# Altium PCB C1B_EVAL_DEV.PcbDoc (part 1 of 2) (continued)
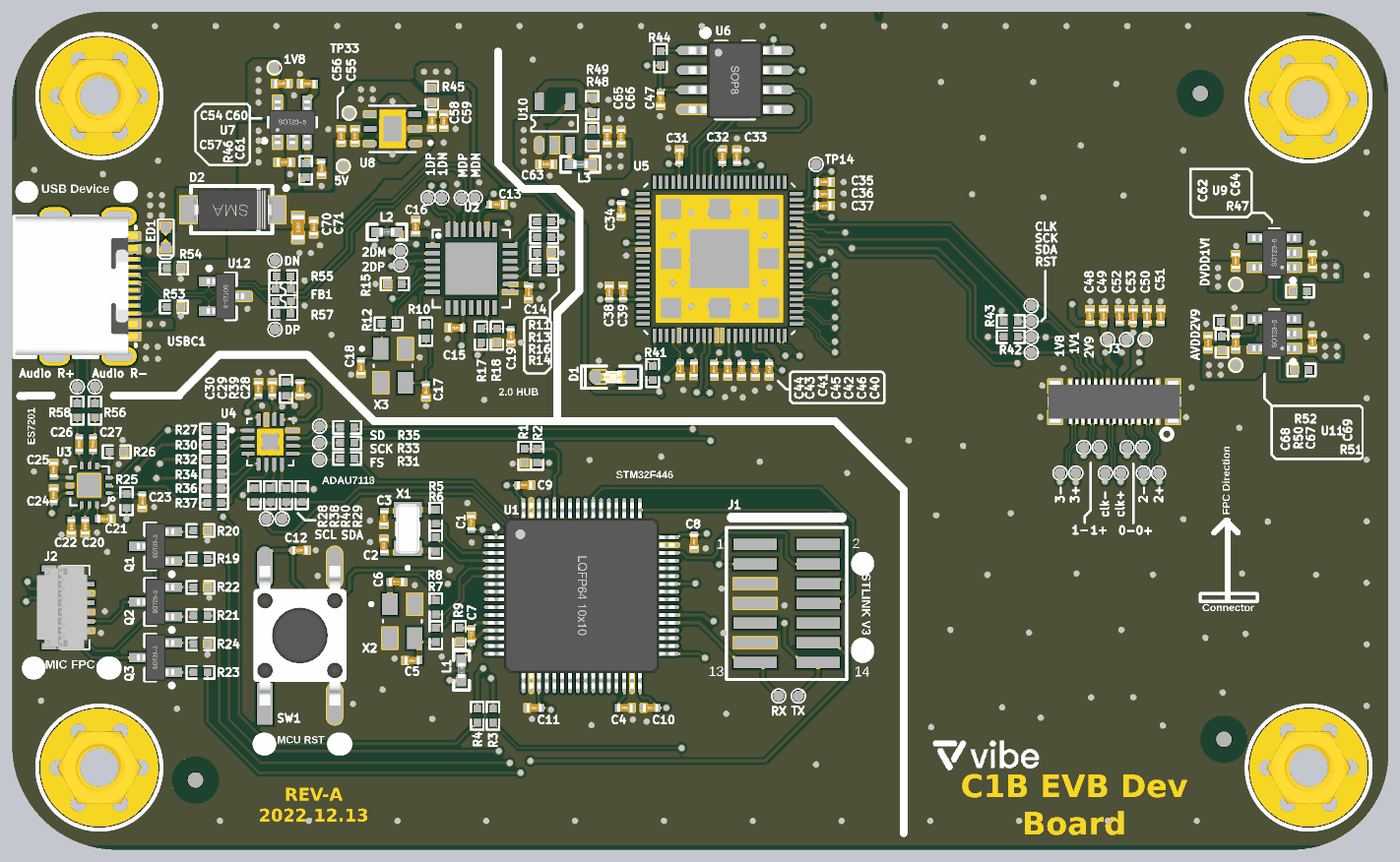
[diagram p5: 3D render of the assembled board from above, using the file's embedded part models]

## Layer stack, top to bottom
Top Solder: solder mask 0.4, Solder Resist, Dk 3.5
Top Layer: signal copper 1.4
Dielectric 2: prepreg 2.8, PP-006, Dk 4.1
GND: signal copper 1.378
Dielectric 1: dielectric 12.6, FR-4, Dk 4.8
Power: signal copper 1.378
Dielectric 3: prepreg 2.8, PP-006, Dk 4.1
Bottom Layer: signal copper 1.4
Bottom Solder: solder mask 0.4, Solder Resist, Dk 3.5

## Board outline
1770,2845 1770,4380 1770,4475 cw(c2002.01,4475) 2002.01,4707.01 5052.99,4707.01 cw(c5052.99,4497.99) 5262.01,4497.99 5262.01,2822.01 cw(c5020,2822.01) 5020,2580 2035,2580 cw(c2035,2845)

## Design rules (kind name [scope] priority, off if disabled: settings)
Clearance poly_vias [InPoly vs isvia] p1: gap=4 ignorepadtopadclearanceinfootprint=TRUE
Clearance poly-poly [InPolygon] p2: gap=6 ignorepadtopadclearanceinfootprint=TRUE
Clearance pad_via [IsPad vs isvia] p3: gap=6 ignorepadtopadclearanceinfootprint=TRUE
Clearance bga_via_clearence [IsBGA vs isvia] p4: gap=4 ignorepadtopadclearanceinfootprint=TRUE
Clearance track-pad [IsTrack vs IsPad] p5: gap=4 ignorepadtopadclearanceinfootprint=TRUE
Clearance ALL_CLEARENCE [All] p6: gap=4 ignorepadtopadclearanceinfootprint=TRUE
DiffPairsRouting DiffPair_MIPIDiffPairsRouting [InDifferentialPair ('MIPI_CSI_RX0_D3') Or InDifferentialPair ('MIPI_CSI_RX0_CLK') Or InDifferentialPair ('MIPI_CSI_RX0_D1') Or InDifferentialPair ('MIPI_CSI_RX0_D0') Or InDifferentialPair ('MIPI_CSI_RX0_D2')] p1: maxlimit=4 minlimit=4 mostfreqgap=4 toplayer_minwidth=4 toplayer_maxwidth=4 toplayer_prefwidth=4 midlayer1_minwidth=4 midlayer1_maxwidth=4 midlayer1_prefwidth=4 midlayer2_minwidth=4 midlayer2_maxwidth=4 midlayer2_prefwidth=4 bottomlayer_minwidth=4 bottomlayer_maxwidth=4 bottomlayer_prefwidth=4 maxuncoupledlength=500
DiffPairsRouting DiffPair_usb_90omhsDiffPairsRouting [InDifferentialPair ('HUB2_D') Or InDifferentialPair ('HUB1_D') Or InDifferentialPair ('USB_M_D')] p2: maxlimit=10 minlimit=5 mostfreqgap=7 toplayer_minwidth=4 toplayer_maxwidth=15 toplayer_prefwidth=6 midlayer1_minwidth=4 midlayer1_maxwidth=15 midlayer1_prefwidth=6 midlayer2_minwidth=4 midlayer2_maxwidth=15 midlayer2_prefwidth=6 bottomlayer_minwidth=4 bottomlayer_maxwidth=15 bottomlayer_prefwidth=6 maxuncoupledlength=500
DiffPairsRouting DiffPair_OTGDiffPairsRouting [InDifferentialPair ('OTG_FILTERED') Or InDifferentialPair ('OTG_RAW')] p3: maxlimit=5 minlimit=5 mostfreqgap=5 toplayer_minwidth=1.66 toplayer_maxwidth=6.54 toplayer_prefwidth=6.54 midlayer1_minwidth=0.48 midlayer1_maxwidth=3.7 midlayer1_prefwidth=3.7 midlayer2_minwidth=0.48 midlayer2_maxwidth=3.7 midlayer2_prefwidth=3.7 bottomlayer_minwidth=1.66 bottomlayer_maxwidth=6.54 bottomlayer_prefwidth=6.54 maxuncoupledlength=500
DiffPairsRouting MIPI_DIFFDiffPairsRouting [InDifferentialPairClass('MIPI_CSI0')] p4: maxlimit=5 minlimit=5 mostfreqgap=5 toplayer_minwidth=1.66 toplayer_maxwidth=6.54 toplayer_prefwidth=6.54 midlayer1_minwidth=0.48 midlayer1_maxwidth=3.7 midlayer1_prefwidth=3.7 midlayer2_minwidth=0.48 midlayer2_maxwidth=3.7 midlayer2_prefwidth=3.7 bottomlayer_minwidth=1.66 bottomlayer_maxwidth=6.54 bottomlayer_prefwidth=6.54 maxuncoupledlength=500
DiffPairsRouting DDR_CLKDiffPairsRouting [InDifferentialPairClass('DDR')] p5: maxlimit=5 minlimit=5 mostfreqgap=5 toplayer_minwidth=1.66 toplayer_maxwidth=6.54 toplayer_prefwidth=6.54 midlayer1_minwidth=0.48 midlayer1_maxwidth=3.7 midlayer1_prefwidth=3.7 midlayer2_minwidth=0.48 midlayer2_maxwidth=3.7 midlayer2_prefwidth=3.7 bottomlayer_minwidth=1.66 bottomlayer_maxwidth=6.54 bottomlayer_prefwidth=6.54 maxuncoupledlength=500
DiffPairsRouting USB_90DiffPairsRouting [InDifferentialPair ('OTG') Or InDifferentialPair ('OTG_DM') Or InDifferentialPair ('USB_HOST')] p6: maxlimit=5 minlimit=5 mostfreqgap=5 toplayer_minwidth=1.66 toplayer_maxwidth=6.54 toplayer_prefwidth=6.54 midlayer1_minwidth=0.48 midlayer1_maxwidth=3.7 midlayer1_prefwidth=3.7 midlayer2_minwidth=0.48 midlayer2_maxwidth=3.7 midlayer2_prefwidth=3.7 bottomlayer_minwidth=1.66 bottomlayer_maxwidth=6.54 bottomlayer_prefwidth=6.54 maxuncoupledlength=500
HoleToHoleClearance [All] p1: gap=8 allowstackedmicrovias=TRUE
MatchedLengths DiffPair_MIPIMatchedLengths [InDifferentialPair ('MIPI_CSI_RX0_D3') Or InDifferentialPair ('MIPI_CSI_RX0_CLK') Or InDifferentialPair ('MIPI_CSI_RX0_D1') Or InDifferentialPair ('MIPI_CSI_RX0_D0') Or InDifferentialPair ('MIPI_CSI_RX0_D2')] p1: tolerance=1000 checknetsindiffpair=FALSE checkdiffpairvsdiffpair=TRUE checkxsignals=TRUE checkothers=TRUE
MatchedLengths DiffPair_usb_90omhsMatchedLengths [InDifferentialPair ('HUB2_D') Or InDifferentialPair ('HUB1_D') Or InDifferentialPair ('USB_M_D')] p2: tolerance=1000 checknetsindiffpair=TRUE checkdiffpairvsdiffpair=FALSE checkxsignals=FALSE checkothers=FALSE
MinimumSolderMaskSliver [All] p1: minsoldermaskwidth=1
NetAntennae [All] p1: netantennaetolerance=5
PlaneClearance [All] p1: clearance=6
PlaneConnect [InPadClass('All Pads')] p1: planeconnectstyle=Direct reliefexpansion=20 reliefentries=4 reliefconductorwidth=10 reliefairgap=10
PolygonConnect [All] p1: connectstyle=Direct reliefconductorwidth=4 reliefentries=4 polygonreliefangle="45 Angle" airgapwidth=4
RoomDefinition 99_MISCS [InComponentClass('99_MISCS')] p1: confinementstyle=ConfineIn formatcopy=TRUE lockcomponents=FALSE outline 0,0 2000,0 2000,1000 0,1000
RoomDefinition 22_USB_CONNECTOR [InComponentClass('22_USB_CONNECTOR')] p2: confinementstyle=ConfineIn formatcopy=TRUE lockcomponents=FALSE outline 0,0 2000,0 2000,1000 0,1000
RoomDefinition 21_POWER_DOMAINS [InComponentClass('21_POWER_DOMAINS')] p3: confinementstyle=ConfineIn formatcopy=TRUE lockcomponents=FALSE outline 0,0 2000,0 2000,1000 0,1000
RoomDefinition 15_ISP [InComponentClass('15_ISP')] p4: confinementstyle=ConfineIn formatcopy=TRUE lockcomponents=FALSE outline 0,0 2000,0 2000,1000 0,1000
RoomDefinition 12_ADAU7118_CODEC [InComponentClass('12_ADAU7118_CODEC')] p5: confinementstyle=ConfineIn formatcopy=TRUE lockcomponents=FALSE outline 0,0 2000,0 2000,1000 0,1000
RoomDefinition 11_ES7201_LOOPBACK [InComponentClass('11_ES7201_LOOPBACK')] p6: confinementstyle=ConfineIn formatcopy=TRUE lockcomponents=FALSE outline 0,0 2000,0 2000,1000 0,1000
RoomDefinition 10_PDM_MICS [InComponentClass('10_PDM_MICS')] p7: confinementstyle=ConfineIn formatcopy=TRUE lockcomponents=FALSE outline 0,0 2000,0 2000,1000 0,1000
RoomDefinition 06_USB_HUB20 [InComponentClass('06_USB_HUB20')] p8: confinementstyle=ConfineIn formatcopy=TRUE lockcomponents=FALSE outline 0,0 2000,0 2000,1000 0,1000
RoomDefinition 05_SM32_MCU [InComponentClass('05_SM32_MCU')] p9: confinementstyle=ConfineIn formatcopy=TRUE lockcomponents=FALSE outline 0,0 2000,0 2000,1000 0,1000
RoutingVias GENERAL_VIAS [All] p1: holewidth=7.87 width=15.75 viastyle="Through Hole" minholewidth=7.87 minwidth=15.75 maxholewidth=7.87 maxwidth=15.75
RoutingVias PWR_VIAS [InNetClass('powers')] p2: holewidth=12 width=24 viastyle="Through Hole" minholewidth=12 minwidth=24 maxholewidth=12 maxwidth=24
SilkToSilkClearance [All] p1: silktosilkclearance=0
SilkToSolderMaskClearance [IsPad] p1: minsilkscreentomaskgap=0 clearancetoexposedcopper=TRUE
SolderMaskExpansion [All] p1: expansion=2.5 istentingtop=FALSE
Width PW [InNetClass('PW')] p1: maxlimit=60 minlimit=5 preferedwidth=8
Width GENERAL [All] p2: maxlimit=60 minlimit=4 preferedwidth=4
22 further rules are at their usual default settings.

## Classes and differential pairs
differential pair class USB: HUB1_D HUB2_D USB_D USB_M_D
differential pair class MIPI: MIPI_CSI_RX0_CLK MIPI_CSI_RX0_D0 MIPI_CSI_RX0_D1 MIPI_CSI_RX0_D2 MIPI_CSI_RX0_D3
differential pair class AUDIO_IN: AUDIO_R LOOPBACK_R
net class USB: HUB1_D_N HUB1_D_P USB_D_N USB_D_P
net class MIPI: MIPI_CSI_RX0_CLK_N MIPI_CSI_RX0_CLK_P MIPI_CSI_RX0_D0_N MIPI_CSI_RX0_D0_P MIPI_CSI_RX0_D1_N MIPI_CSI_RX0_D1_P MIPI_CSI_RX0_D2_N MIPI_CSI_RX0_D2_P MIPI_CSI_RX0_D3_N MIPI_CSI_RX0_D3_P
net class AUDIO_DIFF: AUDIO_R_N AUDIO_R_P LOOPBACK_R_N LOOPBACK_R_P
component class 99_MISCS: M1 M2 M3 M4 M5 M6 SP1 SP2 SP3 SP4
component class 22_USB_CONNECTOR: "Audio R+" "Audio R-" C70 C71 D2 DN DP ED1 FB1 R53 R54 R55 R56 R57 R58 U12 USBC1
component class 21_POWER_DOMAINS: 1V8 5V AVDD2V9 C54 C55 C56 C57 C58 C59 C60 C61 C62 C63 C64 C65 C66 C67 C68 C69 DVDD1V! L3 R45 R46 R47 R48 R49 R50 R51 R52 TP33 U7 U8 U9 U10 U11
component class 15_ISP: 0+ 0- 1+ 1- 1V1 1V8 2+ 2- 2V9 3+ 3- C31 C32 C33 C34 C35 C36 C37 C38 C39 C40 C41 C42 C43 C44 C45 C46 C47 C48 C49 C50 C51 C52 C53 CLK clk+ clk- D1 J3 R41 R42 R43 R44 RST SCK SDA TP14 U5 U6
component class 12_ADAU7118_CODEC: C28 C29 C30 FS R27 R28 R29 R30 R31 R32 R33 R34 R35 R36 R37 R38 R39 R40 SCK SCL SD SDA U4
component class 11_ES7201_LOOPBACK: C20 C21 C22 C23 C24 C25 C26 C27 R25 R26 U3
component class 10_PDM_MICS: J2 Q1 Q2 Q3 R19 R20 R21 R22 R23 R24
component class 06_USB_HUB20: 1DN 1DP 2DM 2DP C13 C14 C15 C16 C17 C18 C19 L2 MDN MDP R10 R11 R12 R13 R14 R15 R16 R17 R18 U2 X3
component class 05_SM32_MCU: C1 C2 C3 C4 C5 C6 C7 C8 C9 C10 C11 C12 J1 L1 R1 R2 R3 R4 R5 R6 R7 R8 R9 RX SW1 TX U1 X1 X2
differential pair USB_M_D: +USB_M_D_P -USB_M_D_N
differential pair USB_DATA_IN: +USB_D_P -USB_D_N
differential pair MIPI_CSI_RX0_D3: +MIPI_CSI_RX0_D3_P -MIPI_CSI_RX0_D3_N
differential pair MIPI_CSI_RX0_D2: +MIPI_CSI_RX0_D2_P -MIPI_CSI_RX0_D2_N
differential pair MIPI_CSI_RX0_D1: +MIPI_CSI_RX0_D1_P -MIPI_CSI_RX0_D1_N
differential pair MIPI_CSI_RX0_D0: +MIPI_CSI_RX0_D0_P -MIPI_CSI_RX0_D0_N
differential pair MIPI_CSI_RX0_CLK: +MIPI_CSI_RX0_CLK_P -MIPI_CSI_RX0_CLK_N
differential pair LOOPBACK_R: +LOOPBACK_R_P -LOOPBACK_R_N
differential pair HUB2_D: +HUB2_D_P -HUB2_D_N
differential pair HUB1_D: +HUB1_D_P -HUB1_D_N
differential pair AUDIO_R: +AUDIO_R_P -AUDIO_R_N

## Components (designator, comment, footprint, x,y, rotation, side; value= is the part's Value field where it differs from the comment)
0+ "MIPI_D0P" TP_0R70 4639,3601.13 r90 top (schematic designator TP26)
0- "MIPI_D0N" TP_0R70 4599,3601.13 r90 top (schematic designator TP25)
1+ "MIPI_D1P" TP_0R70 4529,3601.13 r90 top (schematic designator TP22)
1- "MIPI_D1N" TP_0R70 4489,3601.13 r90 top (schematic designator TP21)
1DN "" TP_0R70 2860,4235 r0 top (schematic designator TP3)
1DP "" TP_0R70 2825,4235 r180 top (schematic designator TP4)
1V1 "1V1" TP_0R70 4597.5,3875 r90 top (schematic designator TP31)
1V8 "TP_0.7" TP_0R70 2435,4565 r180 top net-tie (schematic designator TP34)
1V8 "1V8" TP_0R70 4550,3875 r90 top (schematic designator TP29)
2+ "MIPI_D2P" TP_0R70 4679,3536 r90 top (schematic designator TP28)
2- "MIPI_D2N" TP_0R70 4640.82,3536 r90 top (schematic designator TP27)
2DM "" TP_0R70 2755,4100 r180 top (schematic designator TP5)
2DP "" TP_0R70 2755,4065 r180 top (schematic designator TP6)
2V9 "2V9" TP_0R70 4645,3875 r90 top (schematic designator TP30)
3+ "MIPI_D3P" TP_0R70 4469,3536 r90 top (schematic designator TP20)
3- "MIPI_D3N" TP_0R70 4429.01,3536 r90 top (schematic designator TP19)
5V "5V" TP_0R70 2610,4315 r0 top (schematic designator TP32)
"Audio R+" "RN" TP_0R70 1935,3755 r90 top (schematic designator TP40)
"Audio R-" "RP" TP_0R70 1980,3755 r90 top (schematic designator TP39)
AVDD2V9 "2V9" TP_0R70 4875,3810 r270 top (schematic designator TP36)
C1 "1uF" C0402_L 2935,3410 r90 top
C2 "4.3pF" C0402_L 2713,3352 r90 top
C3 "4.3pF" C0402_L 2713,3422 r270 top
C4 "4.7uF" C0402_L 3325,2940 r0 top
C5 "20pF" C0402_L 2785,3060 r180 top
C6 "20pF" C0402_L 2745,3260 r0 top
C7 "100nF" C0402_L 2935,3125 r90 top
C8 "2.2uF" C0402_L 3500,3362.28 r270 top
C9 "2.2uF" C0402_L 3070,3505 r0 top
C10 "2.2uF" C0402_L 3390,2940 r180 top
C11 "2.2uF" C0402_L 3095,2940 r180 top
C12 "100nF" C0402_L 2500,3340 r180 top
C13 "100nF" C0402_L 2999,4218 r0 top
C14 "100nF" C0402_L 3080,3995 r270 top
C15 "100nF" C0402_L 2895,3905 r180 top
C16 "100nF" C0402_L 2794,4162 r90 top
C17 "20pF" C0402_L 2820,3745 r270 top
C18 "20pF" C0402_L 2655,3805 r270 top
C19 "100nF" C0402_L 3035,3885 r270 top
C20 "1uF" C0402_L 1955,3400 r270 top
C21 "1uF" C0402_L 2005,3420 r180 top
C22 "1uF" C0402_L 1920,3400 r270 top
C23 "1uF" C0402_L 2100,3465 r270 top
C24 "100nF" C0402_L 1875,3480 r90 top
C25 "1uF" C0402_L 1875,3545 r90 top
C26 "1uF" C0402_L 1940,3610 r90 top
C27 "1uF" C0402_L 1975,3610 r90 top
C28 "100nF" C0402_L 2500,3750 r270 top
C29 "100nF" C0402_L 2430,3750 r90 top
C30 "100nF" C0402_L 2395,3750 r90 top
C31 "2.2uF" C0402_L 3463,4340 r270 top
C32 "100nF" C0402_L 3572,4340.28 r270 top
C33 "1uF" C0402_L 3609,4340 r90 top
C34 "100nF" C0402_L 3315,4205 r90 top
C35 "100nF" C0402_L 3830,4275 r0 top
C36 "100nF" C0402_L 3830,4245 r180 top
C37 "1uF" C0402_L 3830,4215 r180 top
C38 "2.2uF" C0402_L 3285,3995 r90 top
C39 "100nF" C0402_L 3320,3995 r90 top
C40 "100nF" C0402_L 3691,3799 r270 top
C41 "100nF" C0402_L 3551,3799 r90 top
C42 "100nF" C0402_L 3621,3799 r270 top
C43 "100nF" C0402_L 3500,3800 r270 top
C44 "100nF" C0402_L 3465,3800 r270 top
C45 "1uF" C0402_L 3586,3799 r90 top
C46 "4.7uF" C0402_L 3656,3799 r270 top
C47 "100nF" C0402_L 3415,4485 r90 top
C48 "2.2uF" C0402_L 4505,3935 r90 top
C49 "100nF" C0402_L 4540,3935 r90 top
C50 "2.2uF" C0402_L 4650,3935 r90 top
C51 "100nF" C0402_L 4685,3935 r90 top
C52 "2.2uF" C0402_L 4580,3935 r90 top
C53 "100nF" C0402_L 4615,3935 r90 top
C54 "4.7uF" C0402_L 2453.84,4525 r0 top
C55 "1uF" C0402_L 2640,4392.29 r90 top
C56 "100nF" C0402_L 2605,4392.29 r90 top
C57 "1uF" C0402_L 2460,4325 r0 top
C58 "1uF" C0402_L 2835,4430 r270 top
C59 "100nF" C0402_L 2865,4430 r270 top
C60 "100nF" C0402_L 2520,4525 r180 top net-tie
C61 "100nF" C0402_L 2555,4310 r270 top
C62 "4.7uF" C0402_L 4875,4075 r90 top
C63 "4.7uF" C0402_L 3125,4320 r0 top
C64 "1uF" C0402_L 5070,4075 r90 top
C65 "4.7uF" C0402_L 3280,4390 r90 top
C66 "1uF" C0402_L 3315,4390 r90 top
C67 "22pF" C0402_L 4875,3867.29 r90 top
C68 "10uF" C0402_L 4805,3867.29 r90 top
C69 "1uF" C0402_L 5070,3870 r90 top
C70 "22uF" C0603_L 2495,4160 r270 top
C71 "100nF" C0402_L 2535,4160 r270 top
CLK "MIPI_MCLK" TP_0R70 4356,3961 r180 top (schematic designator TP18)
clk+ "MIPI_CLKP" TP_0R70 4584,3536 r90 top (schematic designator TP24)
clk- "MIPI_CLKN" TP_0R70 4544,3536 r90 top (schematic designator TP23)
D1 "White LED 0603" LED0603_W 3295,3780 r180 top
D2 "SS14" SMA 2330,4204.69 r0 top
Designator5 "Comment" Vibe_Logo 4241.73,2815 r0 top
DN "DN" TP_0R70 2437,4076 r180 top (schematic designator TP37)
DP "DP" TP_0R70 2437,3901 r180 top (schematic designator TP38)
DVDD1V! "1V1" TP_0R70 4875,4015 r270 top (schematic designator TP35)
ED1 "ESD5451N" ESD0402 2161.55,4109.45 r90 top
FB1 "MCZ1210AH900L2T" L0402D 2443.89,3947.83 r180 top net-tie
FS "TDM_FS" TP_0R70 2550,3570 r90 top (schematic designator TP9)
J1 "FTSH-107-01-F-DV-K-P-TR" SAMTEC-FTSH-107-01-X-DV 3735,3205 r270 top
J2 "1-2328724-3" 123287243 1910,3195 r270 top
J3 "AXE530127" AXE530127_counterclock_pin 4566.26,3717.24 r0 top
L1 "BEAD" L0402 2910,3035 r90 top
L2 "120R" L0402 2721,4148 r0 top
L3 "10uH" L0402 3212,4320 r0 top
M1 "MARK" MARK 2235,2756.65 r0 top net-tie
M2 "MARK" MARK 4785,4500 r180 bottom net-tie
M3 "MARK" MARK 4785,4500 r0 top net-tie
M4 "MARK" MARK 4845,2860 r180 bottom net-tie
M5 "MARK" MARK 2235,4500 r0 bottom net-tie
M6 "MARK" MARK 4845,2860 r0 top net-tie
MDN "" TP_0R70 2945,4235 r180 top (schematic designator TP7)
MDP "" TP_0R70 2909.65,4235 r180 top (schematic designator TP8)
Q1 "SS8050-G" SOT23 2133.66,3350 r180 top
Q2 "SS8050-G" SOT23 2133.66,3208.8 r180 top
Q3 "SS8050-G" SOT23 2133.66,3067.6 r180 top
R1 "0R" R0402 3070,3580 r270 top
R2 "0R" R0402 3102,3580 r270 top net-tie
R3 "0R" R0402 2990,2920 r90 top
R4 "0R" R0402 2950,2920 r90 top
R5 "0R" R0402 2845,3425 r90 top
R6 "0R" R0402 2845,3355 r270 top
R7 "0R" R0402 2845,3125 r270 top
R8 "0R" R0402 2845,3195 r270 top
R9 "0R" R0402 2905,3125 r90 top
R10 "0R" R0402 2820,3895 r270 top
R11 "10K" R0402 3120,4175 r0 top
R12 "0R" R0402 2725,3915 r0 top
R13 "10K" R0402 3120,4135 r0 top
R14 "10K" R0402 3120,4055 r180 top
R15 "680R" R0402 2741,4016 r180 top
R16 "10K" R0402 3120,4095 r180 top
R17 "10K" R0402 2960,3885 r90 top
R18 "4.7K" R0402 3000,3885 r270 top
R19 "1K" R0402 2247.72,3318 r180 top
R20 "200R" R0402 2247.72,3390 r0 top
R21 "1K" R0402 2247.72,3174 r180 top
R22 "200R" R0402 2247.72,3246 r0 top
R23 "1K" R0402 2247.72,3030 r180 top
R24 "200R" R0402 2247.72,3102 r0 top
R25 "10K" R0402 2060,3465 r90 top
R26 "10K" R0402 2035,3590 r0 top
R27 "0R" R0402 2282.28,3645 r0 top
R28 "10K" R0402 2385,3480 r90 top
R29 "10K" R0402 2505,3480 r90 top
R30 "0R" R0402 2282.28,3608 r0 top
R31 "0R" R0402 2620,3572.96 r180 top
R32 "0R" R0402 2282.28,3571 r0 top
R33 "0R" R0402 2620,3612.5 r180 top
R34 "0R" R0402 2282.28,3534 r0 top
R35 "0R" R0402 2620,3652.04 r180 top
R36 "0R" R0402 2282.28,3497 r0 top
R37 "0R" R0402 2282.28,3460 r0 top
R38 "0R" R0402 2425,3480 r90 top
R39 "10K" R0402 2465,3750 r270 top
R40 "0R" R0402 2465,3480 r90 top
R41 "2.2K" R0402 3395,3790 r90 top
R42 "10K" R0402 4304,3882 r180 top
R43 "10K" R0402 4304,3921 r180 top
R44 "10K" R0402 3415,4590 r270 top
R45 "0R" R0402 2835,4495 r90 top
R46 "10K" R0402 2515,4305 r90 top
R47 "10K" R0402 5038,3998 r0 top
R48 "120K" R0402 3242,4390 r90 top
R49 "100K" R0402 3242,4470 r90 top
R50 "180K" R0402 4840,3865 r90 top
R51 "10K" R0402 5042,3798 r0 top
R52 "68K" R0402 4855,3920 r0 top
R53 "5.1K" R0402 2180,3958 r0 top
R54 "510K" R0402 2180,4056.28 r180 top
R55 "0R" R0402 2458,4035 r0 top
R56 "510K" R0402 1980,3695 r90 top
R57 "0R" R0402 2458,3941 r0 top
R58 "510K" R0402 1935,3695 r90 top
RST "MIPI_RST" TP_0R70 4356,3842 r90 top (schematic designator TP17)
RX "ST_TX" TP_0R70 3715,2970 r270 top (schematic designator TP2)
SCK "MIPI_I2C_SCL" TP_0R70 4356,3921 r0 top (schematic designator TP15)
SCK "TDM_SCK" TP_0R70 2550,3612.5 r90 top (schematic designator TP11)
SCL "SCL" TP_0R70 2415,3420 r90 top (schematic designator TP12)
SD "TDM_SD" TP_0R70 2550,3655 r90 top (schematic designator TP10)
SDA "MIPI_I2C_SDA" TP_0R70 4356,3881 r0 top (schematic designator TP16)
SDA "SDA" TP_0R70 2455,3420 r90 top (schematic designator TP13)
SP1 "M3铜柱" M3x4_N 1991,4493.48 r0 top net-tie
SP2 "M3铜柱" M3x4_N 5060,4485 r0 top net-tie
SP3 "M3铜柱" M3x4_N 1991,2788.2 r0 top net-tie
SP4 "M3铜柱" M3x4_N 5060,2788.2 r0 top net-tie
SW1 "4x4x1.5" "TSW SMD-6*6*5" 2500,3123.47 r90 top
TP14 "SENSOR_PWD" TP_0R70 3810,4320 r90 top
TP33 "3V3" TP_0R70 2625,4450 r90 top
TX "ST_RX" TP_0R70 3765,2970 r270 top (schematic designator TP1)
U1 "STM32F446RET6" LQFP64_L 3215,3225 r0 top
U2 "GL850" QFN-28 2935,4055 r0 top
U3 "ES7201" QFN12 2015,3485 r180 top
U4 "ADAU7118" QFN50P300X300X80-17N 2425,3615 r0 top
U5 "SPCA2688A" QFN40P1000X1000X90-89N 3565,4080 r0 top
U6 "GD25D10B" SOIC-8 3604.19,4534.07 r0 top
U7 "PT5108E23E-18" SOT23-5 2480.71,4426.91 r90 top
U8 "LD39050PU33R" SON95P300X300X100-7N 2735,4410 r180 top
U9 "WL2836E11" SOT23-5 4973.09,4095.71 r180 top
U10 "RT8096A-B" SOT_23_5 3107.18,4368.62 r90 top
U11 "LP3983SAB5F" SOT23-5 4973.09,3890 r180 top
U12 "ESD5302F" SOT23 2311,3985 r0 top
USBC1 "TYPE-C 2.0 -16P" USB-C-SMD_16P 1975,4010 r90 top
X1 "ABS05-32.768kHz-7-T" XTAL_3215-32.768K 2773.57,3394.1 r90 top
X2 "8MHZ" XTAL_3225-8MHZ 2760,3160 r0 top
X3 "12MHZ" XTAL_3225-8MHZ 2736.5,3808.31 r0 top

## Footprints (in the part's own frame and the unit in brackets; to place one, negate y for a bottom-side part, rotate by r counter-clockwise, add the part's x,y. Pads: shape width x height; smd on the part's side, far side on the other; paste and mask are expansions set on the pad)
123287243 [mm]
  rect 0.3x0.85 smd: 1(-1.8,-1.425) 3(-1.2,-1.425) 5(-0.6,-1.425) 7(0,-1.425) 9(0.6,-1.425) 11(1.2,-1.425) 13(1.8,-1.425)
  rect 0.3x0.65 smd: 2(-1.5,1.425) 4(-0.9,1.425) 6(-0.3,1.425) 8(0.3,1.425) 10(0.9,1.425) 12(1.5,1.425)
  rect 0.4x0.95 smd: MP1(-2.5,-1.175) MP2(2.5,-1.175)
  silkscreen extent -2.7,-0.38 2.7,1.43, body extent -2.7,-1.96 2.7,1.52, height 1
AXE530127_counterclock_pin [mm]
  rect 0.23x0.5 smd: 1(2.8,-1.2) 2(2.4,-1.2) 3(2,-1.2) 4(1.6,-1.2) 5(1.2,-1.2) 6(0.8,-1.2) 7(0.4,-1.2) 8(0,-1.2) 9(-0.4,-1.2) 10(-0.8,-1.2) 11(-1.2,-1.2) 12(-1.6,-1.2) 13(-2,-1.2) 14(-2.4,-1.2) 15(-2.8,-1.2) 16(-2.8,1.2) 17(-2.4,1.2) 18(-2,1.2) 19(-1.6,1.2) 20(-1.2,1.2) 21(-0.8,1.2) 22(-0.4,1.2) 23(0,1.2) 24(0.4,1.2) 25(0.8,1.2) 26(1.2,1.2) 27(1.6,1.2) 28(2,1.2) 29(2.4,1.2) 30(2.8,1.2)
  rect 0.9x0.92 smd: MP1(-3.8,-0.99) MP2(3.8,-0.99) MP3(3.8,0.99) MP4(-3.8,0.99)
  silkscreen extent -4.25,-0.3 4.25,0.3, body extent -4.25,-1.43 4.25,1.43, height 1.07
C0402_L [mm] "无极性贴片电容"
  rect 0.4x0.5 smd: 1(-0.45,0) 2(0.45,0)
  silkscreen extent 0,-0.15 0,0.15, body extent -0.5,-0.26 0.5,0.26, height 0.54
C0603_L [mil] "无极性贴片电容"
  rect 30x30 smd: 1(-25.59,0) 2(25.59,0)
  silkscreen extent 0,-9 0,9, body extent -31,-16 32,16, height 33
ESD0402 [mil]
  rect 25x25 smd: 1(0,2) 2(50,2)
  Top Layer region: 13,-4.5 19.5,2 12.75,8.75 12.75,-4 13,-4 13,-4.5
  Top Layer region: 11,-8.5 21.75,2.25 10.75,13.25 10.75,-8 11,-8 11,-8.5
  Top Layer region: 37.5,9 31,2.5 37.75,-4.25 37.75,8.5 37.5,8.5 37.5,9
  Top Layer region: 39.5,13 28.75,2.25 39.75,-8.75 39.75,12.5 39.5,12.5 39.5,13
  Top Layer lines w2: 5.5,9.5 13,9.5 ; 37.5,9.5 45,9.5 ; 7,8 14.5,8 ; 36,8 43.5,8 ; 8,6.5 15.5,6.5 ; 34.5,6.5 42,6.5 ; 9,5.5 16.5,5.5 ; 33.5,5 41,5 ; 10,4.5 17.5,4.5 ; 32,4 39.5,4 ; 11.5,3.5 19,3.5 ; 31,3 38.5,3 ; 12.5,2.5 20,2.5 ; 30.5,2 38,2 ; 12,1.5 19.5,1.5 ; 31.5,1 39,1 ; 11,0.5 18.5,0.5 ; 33,0 40.5,0 ; 9.5,-0.5 17,-0.5 ; 34,-1 41.5,-1 ; 8.5,-2 16,-2 ; 35,-2 42.5,-2 ; 7,-3.5 14.5,-3.5 ; 36,-3.5 43.5,-3.5 ; 5.5,-5 13,-5 ; 37.5,-5 45,-5
  Top Layer keep-out region: 12.5,14.5 37.5,14.5 37.5,-10.5 12.5,-10.5 12.5,14.5
  silkscreen extent -30,-18 70,22, body extent -5,-10 50,15, height 20
L0402 [mil] "小功率贴片电感"
  rect 30x25 smd: 1(-25,0) 2(25,0)
  silkscreen extent -50,-20 50,20, body extent -20,-10 20,10, height 20
L0402D [mil]
  rect 19.68x19.68 smd: 1(-33.35,-24.61) 2(6.02,-24.61) 3(-33.35,-56.1) 4(6.02,-56.1)
  silkscreen extent -49,-72 22,-8, body extent -45,-70 20,-10, height 20
LED0603_W [mil] "白色0603LED"
  rect 50x35 smd: 1(-35,0.26)
  oct 50x35 smd: 2(35,0.26)
  silkscreen extent -71,-28 81,28, body extent -31,-16 31,16, height 18
LQFP64_L [mm] "封装库来自淘宝 ID：黄晶宝石 Thin QFP, 64-Leads, Body 10x10mm, Pitch 0.5mm, IPC High Density"
  oval 1.55x0.25 smd: 1(-5.525,3.75) 2(-5.525,3.25) 3(-5.525,2.75) 4(-5.525,2.25) 5(-5.525,1.75) 6(-5.525,1.25) 7(-5.525,0.75) 8(-5.525,0.25) 9(-5.525,-0.25) 10(-5.525,-0.75) 11(-5.525,-1.25) 12(-5.525,-1.75) 13(-5.525,-2.25) 14(-5.525,-2.75) 15(-5.525,-3.25) 16(-5.525,-3.75) 33(5.525,-3.75) 34(5.525,-3.25) 35(5.525,-2.75) 36(5.525,-2.25) 37(5.525,-1.75) 38(5.525,-1.25) 39(5.525,-0.75) 40(5.525,-0.25) 41(5.525,0.25) 42(5.525,0.75) 43(5.525,1.25) 44(5.525,1.75) 45(5.525,2.25) 46(5.525,2.75) 47(5.525,3.25) 48(5.525,3.75)
  oval 0.25x1.55 smd: 17(-3.75,-5.525) 18(-3.25,-5.525) 19(-2.75,-5.525) 20(-2.25,-5.525) 21(-1.75,-5.525) 22(-1.25,-5.525) 23(-0.75,-5.525) 24(-0.25,-5.525) 25(0.25,-5.525) 26(0.75,-5.525) 27(1.25,-5.525) 28(1.75,-5.525) 29(2.25,-5.525) 30(2.75,-5.525) 31(3.25,-5.525) 32(3.75,-5.525) 49(3.75,5.525) 50(3.25,5.525) 51(2.75,5.525) 52(2.25,5.525) 53(1.75,5.525) 54(1.25,5.525) 55(0.75,5.525) 56(0.25,5.525) 57(-0.25,5.525) 58(-0.75,5.525) 59(-1.25,5.525) 60(-1.75,5.525) 61(-2.25,5.525) 62(-2.75,5.525) 63(-3.25,5.525) 64(-3.75,5.525)
  silkscreen extent -5.65,-4.35 4.35,4.55, body extent -6,-6 6,6, height 1.45
M3x4_N [mil] "M3铜柱，长：4mm"
  round 40 hole 40: 1(-106,0) 1(-53,-91.8) 1(-53,91.8) 1(53,-91.8) 1(53,91.8) 1(106,0)